# KiCad board fcart.kicad_pcb
title: fcart; rev: 1
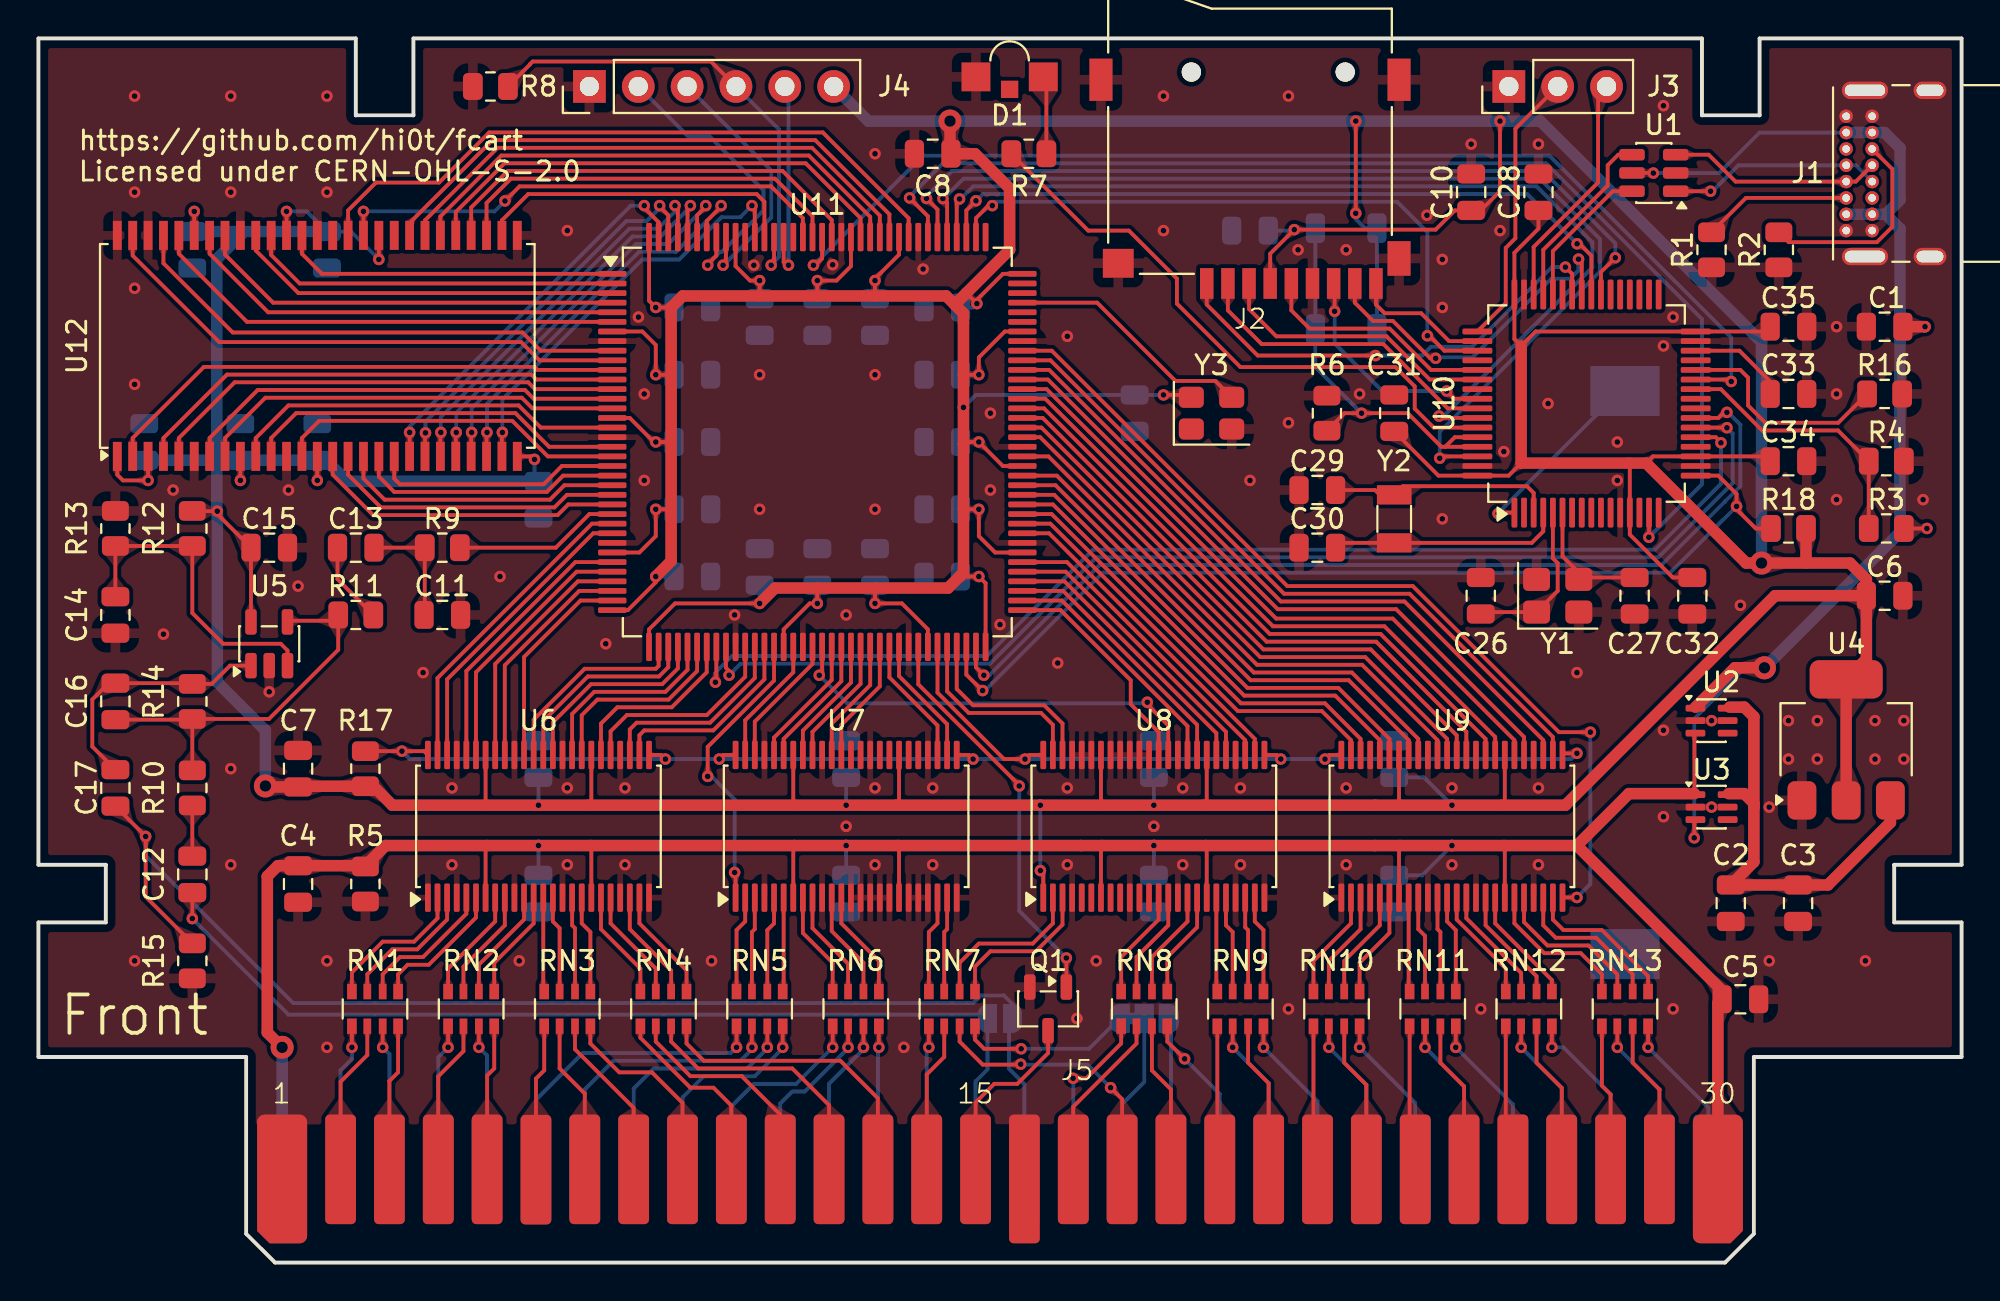
[diagram p0: board, top side]
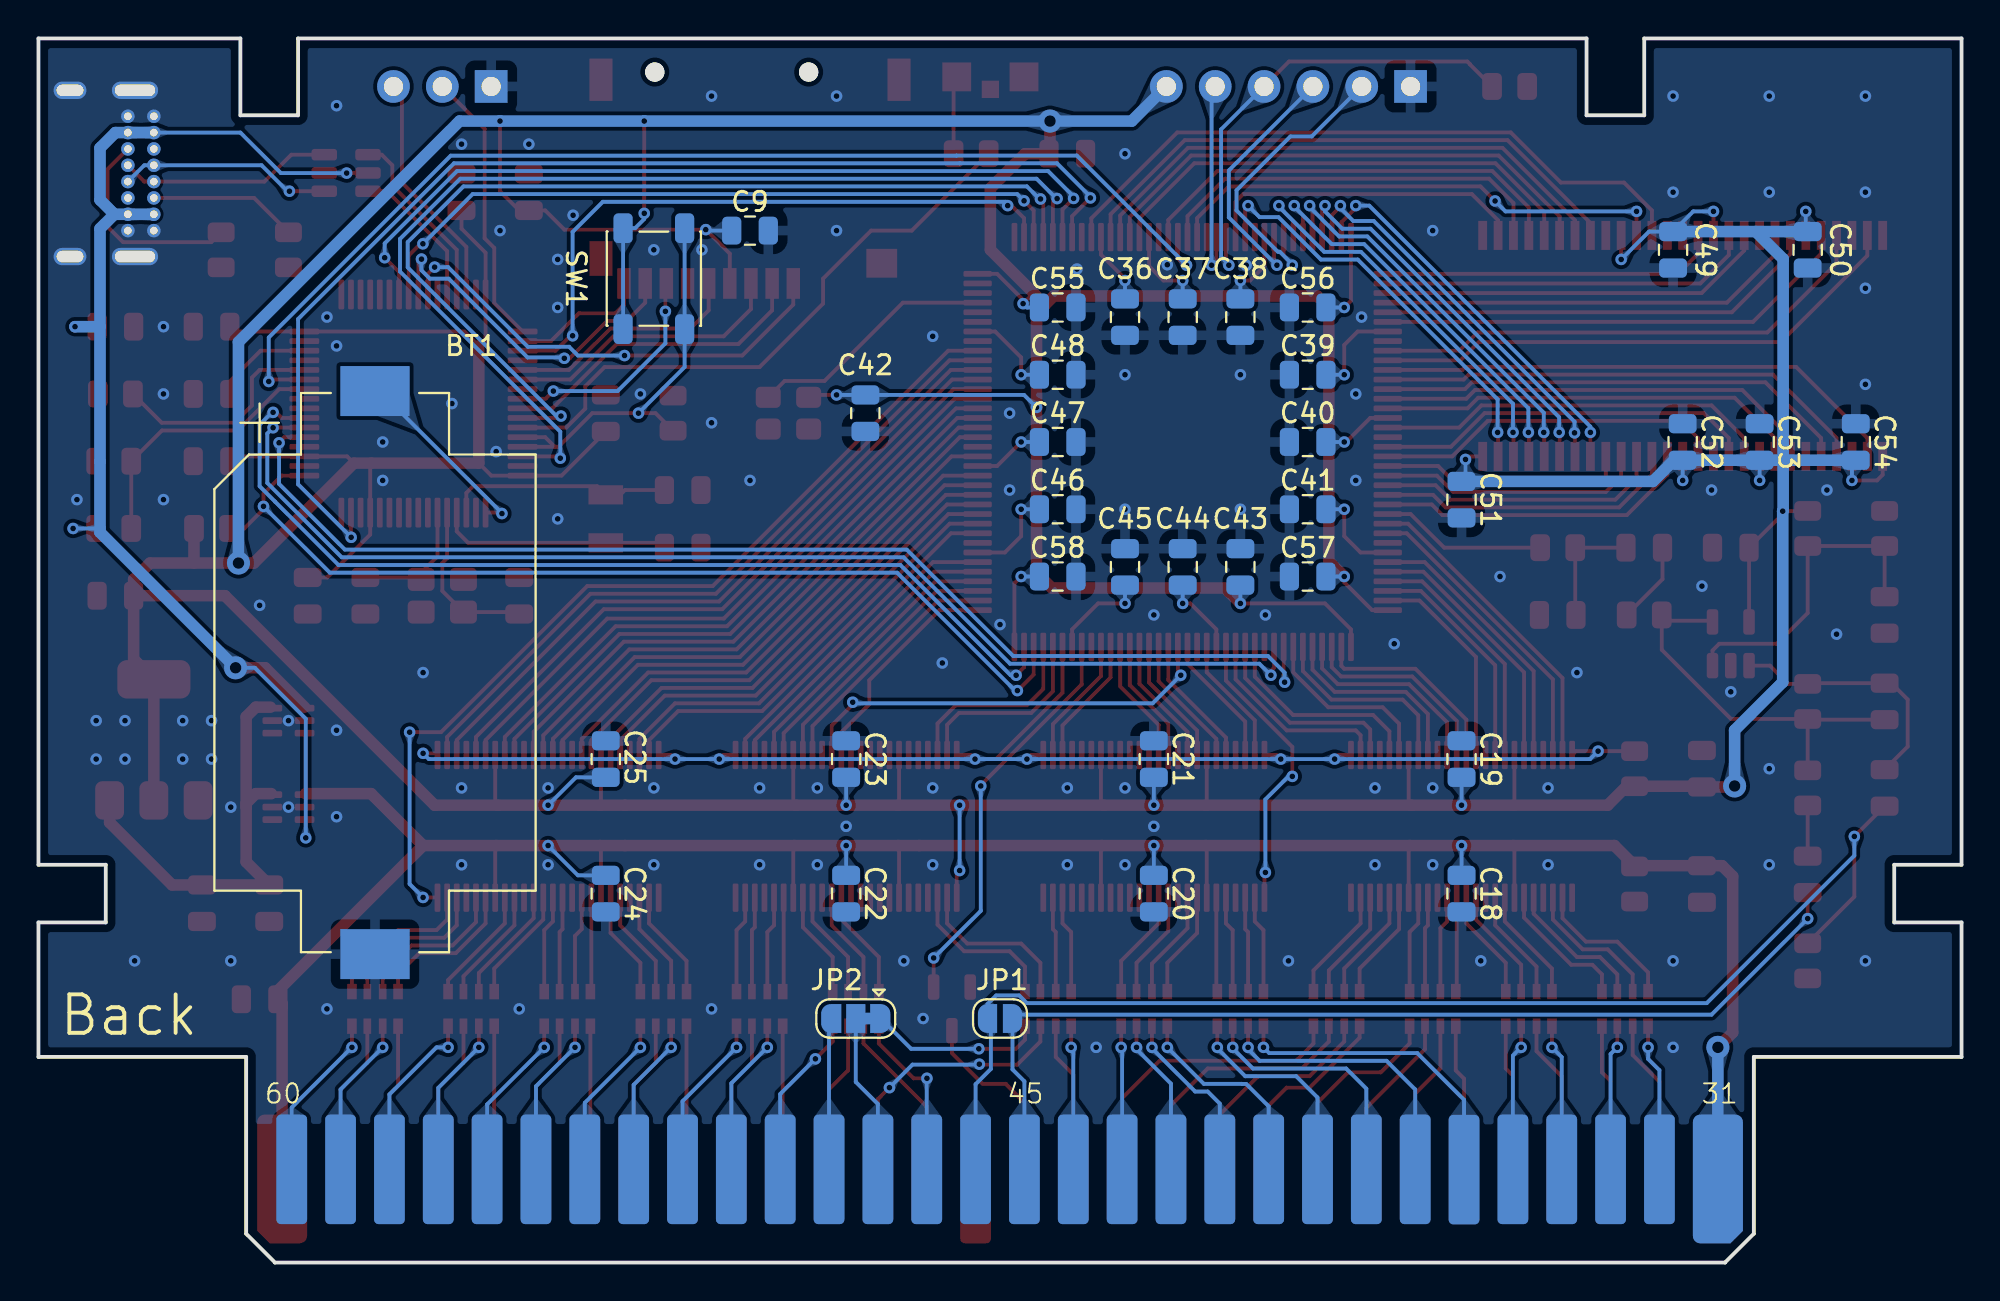
[diagram p1: board, bottom side, seen from below]

Outline 100 x 63.7 mm; copper layers: Top, Bottom. Coordinates in mm from the lower left corner of the outline.
Stack: Top 0.035mm / dielectric 1.2mm FR4 er 4.5 / Bottom 0.035mm

## Placement (name value [footprint] x y rotation side)
BT1  1060  [BatteryHolder_Keystone_1060_1x2032]  82.5 30.7 270 bottom
C1  0.1u  [C_0805_2012Metric]  96 48.7 180 top
C2  10u  [C_0805_2012Metric]  88 18.7 270 top
C3  0.1u  [C_0805_2012Metric]  91.5 18.7 270 top
C4  10u  [C_0805_2012Metric]  13.5 19.7 270 top
C5  10u  [C_0805_2012Metric]  88.5 13.7 0 top
C6  10u  [C_0805_2012Metric]  96 34.7 0 top
C7  10u  [C_0805_2012Metric]  13.5 25.7 90 top
C8  10u  [C_0805_2012Metric]  46.5 57.7 180 top
C9  0.1u  [C_0805_2012Metric]  63 53.7 180 bottom
C10  4.7u  [C_0805_2012Metric]  74.5 55.7 90 top
C11  10n  [C_0805_2012Metric]  21 33.7 0 top
C12  4.7u  [C_0805_2012Metric]  8 20.2 90 top
C13  4.7u  [C_0805_2012Metric]  16.5 37.2 180 top
C14  4.7u  [C_0805_2012Metric]  4 33.7 90 top
C15  0.1u  [C_0805_2012Metric]  12 37.2 180 top
C16  6.8p  [C_0805_2012Metric]  4 29.2 90 top
C17  10u  [C_0805_2012Metric]  4 24.7 270 top
C18  0.1u  [C_0805_2012Metric]  26 19.2 270 bottom
C19  0.1u  [C_0805_2012Metric]  26 26.2 90 bottom
C20  0.1u  [C_0805_2012Metric]  42 19.2 270 bottom
C21  0.1u  [C_0805_2012Metric]  42 26.2 90 bottom
C22  0.1u  [C_0805_2012Metric]  58 19.2 270 bottom
C23  0.1u  [C_0805_2012Metric]  58 26.2 90 bottom
C24  0.1u  [C_0805_2012Metric]  70.5 19.2 270 bottom
C25  0.1u  [C_0805_2012Metric]  70.5 26.2 90 bottom
C26  6.8p  [C_0805_2012Metric]  75 34.7 270 top
C27  6.8p  [C_0805_2012Metric]  83 34.7 90 top
C28  0.1u  [C_0805_2012Metric]  78 55.7 90 top
C29  6.8p  [C_0805_2012Metric]  66.5 40.2 0 top
C30  6.8p  [C_0805_2012Metric]  66.5 37.2 0 top
C31  0.1u  [C_0805_2012Metric]  70.5 44.2 90 top
C32  0.1u  [C_0805_2012Metric]  86 34.7 270 top
C33  4.7u  [C_0805_2012Metric]  91 45.2 0 top
C34  0.1u  [C_0805_2012Metric]  91 41.7 0 top
C35  0.1u  [C_0805_2012Metric]  91 48.7 0 top
C36  0.1u  [C_0805_2012Metric]  43.5 49.2 270 bottom
C37  0.1u  [C_0805_2012Metric]  40.5 49.2 270 bottom
C38  0.1u  [C_0805_2012Metric]  37.5 49.2 270 bottom
C39  0.1u  [C_0805_2012Metric]  34 46.2 0 bottom
C40  0.1u  [C_0805_2012Metric]  34 42.7 0 bottom
C41  0.1u  [C_0805_2012Metric]  34 39.2 0 bottom
C42  0.1u  [C_0805_2012Metric]  57 44.2 270 bottom
C43  0.1u  [C_0805_2012Metric]  37.5 36.2 90 bottom
C44  0.1u  [C_0805_2012Metric]  40.5 36.2 90 bottom
C45  0.1u  [C_0805_2012Metric]  43.5 36.2 90 bottom
C46  0.1u  [C_0805_2012Metric]  47 39.2 180 bottom
C47  0.1u  [C_0805_2012Metric]  47 42.7 180 bottom
C48  0.1u  [C_0805_2012Metric]  47 46.2 180 bottom
C49  0.1u  [C_0805_2012Metric]  15 52.7 270 bottom
C50  0.1u  [C_0805_2012Metric]  8 52.7 270 bottom
C51  0.1u  [C_0805_2012Metric]  26 39.7 270 bottom
C52  0.1u  [C_0805_2012Metric]  14.5 42.7 90 bottom
C53  0.1u  [C_0805_2012Metric]  10.5 42.7 90 bottom
C54  0.1u  [C_0805_2012Metric]  5.5 42.7 90 bottom
C55  0.1u  [C_0805_2012Metric]  47 49.7 180 bottom
C56  0.1u  [C_0805_2012Metric]  34 49.7 0 bottom
C57  0.1u  [C_0805_2012Metric]  34 35.7 0 bottom
C58  0.1u  [C_0805_2012Metric]  47 35.7 180 bottom
D1  LTST-S321KRKT  [LED_1208_Horizontal_3210Metric]  50.5 61.7 0 top
J1  USB4085  [USB_C_Receptacle_GCT_USB4085]  94 53.7 90 top
J2  MSD-4-A  [microSD_HC_Same_Sky_MSD-4-A]  63 58.7 180 top
J3  SWD  [PinHeader_1x03_P2.54mm_Vertical]  76.46 61.2 90 top  (not fitted)
J4  JTAG  [PinHeader_1x06_P2.54mm_Vertical]  28.65 61.2 90 top  (not fitted)
J5  Famicom_cartridge  [Famicom cartridge pcb]  50 10.7 0 top
JP1  NO EXP SND  [SolderJumper-2_P1.3mm_Open_RoundedPad1.0x1.5mm]  50 12.7 0 bottom
JP2  CLONE FIX  [SolderJumper-3_P1.3mm_Bridged12_RoundedPad1.0x1.5mm]  57.5 12.7 0 bottom
Q1  DTC114EK  [SOT-23-3]  52.5 13.2 270 top
R1  5.1k  [R_0805_2012Metric]  87 52.7 270 top
R2  5.1k  [R_0805_2012Metric]  90.5 52.7 270 top
R3  5.1k  [R_0805_2012Metric]  96.09 38.2 0 top
R4  10k  [R_0805_2012Metric]  96.09 41.7 180 top
R5  100k  [R_0805_2012Metric]  17 19.7 90 top
R6  10k  [R_0805_2012Metric]  67 44.2 270 top
R7  1k  [R_0805_2012Metric]  51.5 57.7 180 top
R8  5.1k  [R_0805_2012Metric]  23.5 61.2 180 top
R9  1k  [R_0805_2012Metric]  21 37.2 0 top
R10  10k  [R_0805_2012Metric]  8 24.7 270 top
R11  5.1k  [R_0805_2012Metric]  16.5 33.7 0 top
R12  100k  [R_0805_2012Metric]  8 38.2 90 top
R13  100k  [R_0805_2012Metric]  4 38.2 270 top
R14  10k  [R_0805_2012Metric]  8 29.2 270 top
R15  10k  [R_0805_2012Metric]  8 15.7 270 top
R16  10k  [R_0805_2012Metric]  96 45.2 0 top
R17  5.1k  [R_0805_2012Metric]  17 25.7 90 top
R18  10k  [R_0805_2012Metric]  91 38.2 180 top
RN1  100  [R_Array_Convex_4x0603]  17.5 13.2 270 top
RN2  100  [R_Array_Convex_4x0603]  22.5 13.2 270 top
RN3  100  [R_Array_Convex_4x0603]  27.5 13.2 270 top
RN4  100  [R_Array_Convex_4x0603]  32.5 13.2 270 top
RN5  100  [R_Array_Convex_4x0603]  37.5 13.2 270 top
RN6  100  [R_Array_Convex_4x0603]  42.5 13.2 270 top
RN7  100  [R_Array_Convex_4x0603]  47.5 13.2 270 top
RN8  100  [R_Array_Convex_4x0603]  57.5 13.2 270 top
RN9  100  [R_Array_Convex_4x0603]  62.5 13.2 270 top
RN10  100  [R_Array_Convex_4x0603]  67.5 13.2 270 top
RN11  100  [R_Array_Convex_4x0603]  72.5 13.2 270 top
RN12  100  [R_Array_Convex_4x0603]  77.5 13.2 270 top
RN13  100  [R_Array_Convex_4x0603]  82.5 13.2 270 top
SW1  PTS647SM70  [SW_SPST_PTS647_Sx70]  68 51.2 90 bottom
U1  USBLC6-2SC6  [SOT-23-6]  84 56.7 180 top
U2  LM66100DCK  [SOT-363_SC-70-6]  87 28.2 0 top
U3  LM66100DCK  [SOT-363_SC-70-6]  87 23.7 0 top
U4  TLV76133DCY  [SOT-223-3_TabPin2]  94 27.2 90 top
U5  MCP6001  [SOT-23-5]  12 32.2 90 top
U6  SN74LVC16T245D  [TSSOP-48_6.1x12.5mm_P0.5mm]  26 22.7 90 top
U7  SN74LVC16T245D  [TSSOP-48_6.1x12.5mm_P0.5mm]  42 22.7 90 top
U8  SN74LVC16T245D  [TSSOP-48_6.1x12.5mm_P0.5mm]  58 22.7 90 top
U9  SN74LVC16T245D  [TSSOP-48_6.1x12.5mm_P0.5mm]  73.5 22.7 90 top
U10  STM32F412RET6  [LQFP-64_10x10mm_P0.5mm]  80.5 44.7 90 top
U11  LCMXO2-4000HC-4TG144  [TQFP-144_20x20mm_P0.5mm]  40.5 42.7 0 top
U12  W9864G6KH-6  [TSOP-II-54_22.2x10.16mm_P0.8mm]  14.5 47.7 90 top
Y1  ABM8W-12.0000MHZ-8-B1U  [Crystal_SMD_3225-4Pin_3.2x2.5mm]  79 34.7 0 top
Y2  ABS07-32.768KHZ-7  [Crystal_SMD_3215-2Pin_3.2x1.5mm]  70.5 38.7 270 top
Y3  ASE-50.000MHZ-LC  [Oscillator_SMD_Abracon_ASE-4Pin_3.2x2.5mm]  61 44.2 0 top

## Library data of the parts
BT1 = -: Description: Single-cell battery; Sim.Device: V; Sim.Type: DC; Sim.Pins: 1=+ 2=-; DigiKey: 36-1060CT-ND; LCSC: C238069
C1 C3 C9 C15 C18-C25 C28 C31 C32 C34-C58 = -: Description: Unpolarized capacitor; DigiKey: 311-1140-1-ND; LCSC: C49678; ki_fp_filters: C_*
C2 C4-C8 C17 = -: Description: Unpolarized capacitor; DigiKey: 1276-1096-1-ND; LCSC: C1713; ki_fp_filters: C_*
C10 C12-C14 C33 = -: Description: Unpolarized capacitor; DigiKey: 1276-2873-1-ND; LCSC: C107365; ki_fp_filters: C_*
C11 = -: Description: Unpolarized capacitor; DigiKey: 13-CC0805KPX7R0BB103CT-ND; LCSC: C83170; ki_fp_filters: C_*
C16 C26 C27 C29 C30 = -: Description: Unpolarized capacitor; DigiKey: 311-1831-1-ND; LCSC: C519942; ki_fp_filters: C_*
D1 = -: Description: Light emitting diode; Sim.Pins: 1=K 2=A; DigiKey: 160-LTST-S321KRKTCT-ND; LCSC: C6897245; ki_fp_filters: LED* LED_SMD:* LED_THT:*
J1 = -: Datasheet: https://www.usb.org/sites/default/files/documents/usb_type-c.zip; Description: USB 2.0-only 16P Type-C Receptacle connector; DigiKey: 2073-USB4085-GF-ACT-ND; LCSC: C7095263; ki_fp_filters: USB*C*Receptacle*
J2 = -: Datasheet: https://datasheet.lcsc.com/lcsc/2110151630_XKB-Connectivity-XKTF-015-N_C381082.pdf; Description: Micro SD Card Socket with one card detection pin; DigiKey: 2223-MSD-4-ACT-ND; LCSC: C5155563; ki_fp_filters: microSD*
J3 = -: Description: Generic connector, single row, 01x03, script generated (kicad-library-utils/schlib/autogen/connector/); ki_fp_filters: Connector*:*_1x??_*
J4 = -: Description: Generic connector, single row, 01x06, script generated (kicad-library-utils/schlib/autogen/connector/); ki_fp_filters: Connector*:*_1x??_*
J5 = -: Description: Famicom cartridge connector
JP1 = -: Description: Solder Jumper, 2-pole, open; ki_fp_filters: SolderJumper*Open*
JP2 = -: Description: 3-pole Solder Jumper, pins 1+2 closed/bridged; ki_fp_filters: SolderJumper*Bridged12*
Q1 = -: Description: Digital NPN Transistor, 10k/10k, SOT-23; DigiKey: DTC114EKAT146CT-ND; LCSC: C79971; ki_fp_filters: SOT?23* SC?59*
R1-R3 R8 R11 R17 = -: Description: Resistor; DigiKey: 311-5.10KCRCT-ND; LCSC: C84375; ki_fp_filters: R_*
R4 R6 R10 R14-R16 R18 = -: Description: Resistor; DigiKey: 311-10.0KCRCT-ND; LCSC: C140868; ki_fp_filters: R_*
R5 R12 R13 = -: Description: Resistor; DigiKey: 311-100KCRCT-ND; LCSC: C96346; ki_fp_filters: R_*
R7 R9 = -: Description: Resistor; DigiKey: 311-1.00KCRCT-ND; LCSC: C95781; ki_fp_filters: R_*
RN1-RN13 = -: Description: 4 resistor network, parallel topology; DigiKey: YC124J-100CT-ND; LCSC: C79203; ki_fp_filters: DIP* SOIC* R*Array*Concave* R*Array*Convex* MSOP*
SW1 = -: Description: Push button switch, generic, two pins; DigiKey: 108-PTS647SM70SMTR2LFSCT-ND; LCSC: C2689517
U1 = -: Datasheet: https://www.st.com/resource/en/datasheet/usblc6-2.pdf; Description: Very low capacitance ESD protection diode, 2 data-line, SOT-23-6; DigiKey: 497-5235-1-ND; LCSC: C2827654; ki_fp_filters: SOT?23*
U2 U3 = -: Datasheet: https://www.ti.com/lit/ds/symlink/lm66100.pdf; Description: Ideal Diode With Input Polarity Protection 1.5 - 5.5V  Input Voltage, 1.5A Output Current, Ron 141 mOhm, SC-70-6; DigiKey: 296-53541-1-ND; LCSC: C2869734; ki_fp_filters: *SC?70*
U4 = -: Datasheet: https://www.ti.com/lit/ds/symlink/tlv761.pdf; Description: 3.3V, 1A, Low Noise, High-PSRR LDO Regulator, 2.5V...16V input, SOT-223; DigiKey: 296-TLV76133DCYRCT-ND; LCSC: C7527500; ki_fp_filters: SOT*223*
U5 = -: Datasheet: https://ww1.microchip.com/downloads/en/DeviceDoc/MCP6001-1R-1U-2-4-1-MHz-Low-Power-Op-Amp-DS20001733L.pdf; Description: 1MHz, Low-Power Op Amp, SOT-23-5; DigiKey: MCP6001T-I/OTCT-ND; LCSC: C116490; ki_fp_filters: SOT?23*
U6-U9 = -: Datasheet: https://www.ti.com/lit/ds/symlink/sn74lvc16t245.pdf; Description: 16-Bit 2.5V to 3.3V or 3.3V to 5V Level-Shifting Transceiver With 3-State Outputs, TSSOP-48; DigiKey: 296-20631-1-ND; LCSC: C148170; ki_fp_filters: TSSOP*6.1x12.5mm*P0.5mm*
U10 = -: Datasheet: https://www.st.com/resource/en/datasheet/stm32f412re.pdf; Description: STMicroelectronics Arm Cortex-M4 MCU, 512KB flash, 256KB RAM, 100 MHz, 1.7-3.6V, 50 GPIO, LQFP64; DigiKey: 497-18546-ND; LCSC: C89374; ki_fp_filters: LQFP*10x10mm*P0.5mm*
U11 = -: Datasheet: https://www.latticesemi.com/view_document?document_id=38834; Description: MachXO2 FPGA, 4000 LUT, TQFP-144; DigiKey: 220-1460-ND; LCSC: C1521625; ki_fp_filters: TQFP*20x20mm*P0.5mm*
U12 = -: Datasheet: https://www.alliancememory.com/wp-content/uploads/pdf/dram/64M-AS4C4M16SA-CI_v3.0_March%202015.pdf; Description: 64M – (4M x 16 bit) Synchronous DRAM (SDRAM), TSOP-II-54; DigiKey: W9864G6KH-6-ND; LCSC: C62378; ki_fp_filters: TSOP?II*22.2x10.16mm*P0.8mm*
Y1 = -: Description: Four pin crystal, GND on pins 2 and 4; DigiKey: 535-14008-1-ND; LCSC: C1985372; ki_fp_filters: Crystal*
Y2 = -: Datasheet: https://abracon.com/Resonators/ABS07.pdf; Description: Two pin crystal; DigiKey: 535-9543-1-ND; LCSC: C276424; ki_fp_filters: Crystal*
Y3 = -: Datasheet: http://www.abracon.com/Oscillators/ASV.pdf; Description: 3.3V CMOS SMD Crystal Clock Oscillator, Abracon; DigiKey: 535-ASE-50.000MHZ-L-C-TCT-ND; LCSC: C596955; ki_fp_filters: Oscillator*SMD*Abracon*ASE*3.2x2.5mm*

## Footprints (pads in the part's own frame, mm; a bottom-side part is the same pattern mirrored in y, then rotated)
BatteryHolder_Keystone_1060_1x2032
  rect 2.6x3.6 smd: 1(-14.65,0) 2(14.65,0)
C_0805_2012Metric
  rrect 1x1.45 smd: 1(-0.95,0) 2(0.95,0)
Crystal_SMD_3215-2Pin_3.2x1.5mm
  rect 1x1.8 smd: 1(1.25,0) 2(-1.25,0)
Crystal_SMD_3225-4Pin_3.2x2.5mm
  rrect 1.4x1.2 smd: 1(-1.1,-0.85) 2(1.1,-0.85) 3(1.1,0.85) 4(-1.1,0.85)
Famicom cartridge pcb
  rrect 2.6x6.7 smd: 1(-37.33,-6.35) 30(37.33,-6.35)
  rrect 1.6x5.7 smd: 2(-34.29,-5.85) 3(-31.75,-5.85) 4(-29.21,-5.85) 5(-26.67,-5.85) 6(-24.13,-5.864) 7(-21.59,-5.85) 8(-19.05,-5.85) 9(-16.51,-5.85) 10(-13.97,-5.85) 11(-11.43,-5.85) 12(-8.89,-5.85) 13(-6.35,-5.85) 14(-3.81,-5.85) 15(-1.27,-5.85) 17(3.81,-5.85) 18(6.35,-5.85) 19(8.89,-5.85) 20(11.43,-5.85) 21(13.97,-5.85) 22(16.51,-5.85) 23(19.05,-5.85) 24(21.59,-5.85) 25(24.13,-5.85) 26(26.67,-5.85) 27(29.21,-5.85) 28(31.75,-5.85) 29(34.29,-5.85)
  rrect 1.6x6.7 smd: 16(1.27,-6.35)
  rrect 2.6x6.7 smd far side: 31(-37.33,-6.35)
  rrect 1.6x5.7 smd far side: 32(-34.29,-5.85) 33(-31.75,-5.85) 34(-29.21,-5.85) 35(-26.67,-5.85) 36(-24.13,-5.864) 37(-21.59,-5.85) 38(-19.05,-5.85) 39(-16.51,-5.85) 40(-13.97,-5.85) 41(-11.43,-5.85) 42(-8.89,-5.85) 43(-6.35,-5.85) 44(-3.81,-5.85) 45(-1.27,-5.85) 46(1.27,-5.85) 47(3.81,-5.85) 48(6.35,-5.85) 49(8.89,-5.85) 50(11.43,-5.85) 51(13.97,-5.85) 52(16.51,-5.85) 53(19.05,-5.85) 54(21.59,-5.85) 55(24.13,-5.85) 56(26.67,-5.85) 57(29.21,-5.85) 58(31.75,-5.85) 59(34.29,-5.85) 60(36.83,-5.85)
LED_1208_Horizontal_3210Metric
  rect 0.9x0.9 smd: (0,-0.65)
  rect 1.5x1.5 smd: 1(-1.75,0) 2(1.75,0)
LQFP-64_10x10mm_P0.5mm
  rrect 1.55x0.3 smd: 1(-5.675,3.75) 2(-5.675,3.25) 3(-5.675,2.75) 4(-5.675,2.25) 5(-5.675,1.75) 6(-5.675,1.25) 7(-5.675,0.75) 8(-5.675,0.25) 9(-5.675,-0.25) 10(-5.675,-0.75) 11(-5.675,-1.25) 12(-5.675,-1.75) 13(-5.675,-2.25) 14(-5.675,-2.75) 15(-5.675,-3.25) 16(-5.675,-3.75) 33(5.675,-3.75) 34(5.675,-3.25) 35(5.675,-2.75) 36(5.675,-2.25) 37(5.675,-1.75) 38(5.675,-1.25) 39(5.675,-0.75) 40(5.675,-0.25) 41(5.675,0.25) 42(5.675,0.75) 43(5.675,1.25) 44(5.675,1.75) 45(5.675,2.25) 46(5.675,2.75) 47(5.675,3.25) 48(5.675,3.75)
  rrect 0.3x1.55 smd: 17(-3.75,-5.675) 18(-3.25,-5.675) 19(-2.75,-5.675) 20(-2.25,-5.675) 21(-1.75,-5.675) 22(-1.25,-5.675) 23(-0.75,-5.675) 24(-0.25,-5.675) 25(0.25,-5.675) 26(0.75,-5.675) 27(1.25,-5.675) 28(1.75,-5.675) 29(2.25,-5.675) 30(2.75,-5.675) 31(3.25,-5.675) 32(3.75,-5.675) 49(3.75,5.675) 50(3.25,5.675) 51(2.75,5.675) 52(2.25,5.675) 53(1.75,5.675) 54(1.25,5.675) 55(0.75,5.675) 56(0.25,5.675) 57(-0.25,5.675) 58(-0.75,5.675) 59(-1.25,5.675) 60(-1.75,5.675) 61(-2.25,5.675) 62(-2.75,5.675) 63(-3.25,5.675) 64(-3.75,5.675)
microSD_HC_Same_Sky_MSD-4-A
  round 1 hole 1 unplated: (-4.95,-3.25) (3.05,-3.25)
  rect 0.7x1.6 smd: 1(2.25,7.75) 2(1.15,7.75) 3(0.05,7.75) 4(-1.05,7.75) 5(-2.15,7.75) 6(-3.25,7.75) 7(-4.35,7.75) 8(-5.45,7.75) 9(-6.55,7.75)
  rect 1.2x1.8 smd: SH(-7.75,6.45)
  rect 1.2x2.2 smd: SH(-7.75,-2.85) SH(7.75,-2.85)
  rect 1.6x1.5 smd: SH(6.85,6.7)
Oscillator_SMD_Abracon_ASE-4Pin_3.2x2.5mm
  rrect 1.3x1.1 smd: 1(-1.05,-0.825) 2(1.05,-0.825) 3(1.05,0.825) 4(-1.05,0.825)
PinHeader_1x03_P2.54mm_Vertical
  rect 1.7x1.7 hole 1: 1(0,0)
  round 1.7 hole 1: 2(0,-2.54) 3(0,-5.08)
PinHeader_1x06_P2.54mm_Vertical
  rect 1.7x1.7 hole 1: 1(0,0)
  round 1.7 hole 1: 2(0,-2.54) 3(0,-5.08) 4(0,-7.62) 5(0,-10.16) 6(0,-12.7)
R_0805_2012Metric
  rrect 1.025x1.4 smd: 1(-0.912,0) 2(0.912,0)
R_Array_Convex_4x0603
  rect 0.8x0.5 smd: 1(-0.9,1.2) 4(-0.9,-1.2) 5(0.9,-1.2) 8(0.9,1.2)
  rect 0.8x0.4 smd: 2(-0.9,0.4) 3(-0.9,-0.4) 6(0.9,-0.4) 7(0.9,0.4)
SolderJumper-2_P1.3mm_Open_RoundedPad1.0x1.5mm
  custom 1x1.5 smd: 1(-0.65,0) 2(0.65,0)
SolderJumper-3_P1.3mm_Bridged12_RoundedPad1.0x1.5mm
  custom 1.05x1.5 smd: 1(-1.3,0) 3(1.3,0)
  rect 1x1.5 smd: 2(0,0)
SOT-23-3
  rrect 1.325x0.6 smd: 1(-1.137,0.95) 2(-1.137,-0.95) 3(1.137,0)
SOT-23-5
  rrect 1.325x0.6 smd: 1(-1.137,0.95) 2(-1.137,0) 3(-1.137,-0.95) 4(1.137,-0.95) 5(1.137,0.95)
SOT-23-6
  rrect 1.325x0.6 smd: 1(-1.137,0.95) 2(-1.137,0) 3(-1.137,-0.95) 4(1.137,-0.95) 5(1.137,0) 6(1.137,0.95)
SOT-223-3_TabPin2
  rrect 2x1.5 smd: 1(-3.15,2.3) 2(-3.15,0) 3(-3.15,-2.3)
  rrect 2x3.8 smd: 2(3.15,0)
SOT-363_SC-70-6
  rrect 1.025x0.35 smd: 1(-0.838,0.65) 2(-0.838,0) 3(-0.838,-0.65) 4(0.838,-0.65) 5(0.838,0) 6(0.838,0.65)
SW_SPST_PTS647_Sx70
  rrect 1.55x1 smd: 1(-2.625,1.6) 1(2.625,1.6) 2(-2.625,-1.6) 2(2.625,-1.6)
TQFP-144_20x20mm_P0.5mm
  rrect 1.475x0.3 smd: 1(-10.662,8.75) 2(-10.662,8.25) 3(-10.662,7.75) 4(-10.662,7.25) 5(-10.662,6.75) 6(-10.662,6.25) 7(-10.662,5.75) 8(-10.662,5.25) 9(-10.662,4.75) 10(-10.662,4.25) 11(-10.662,3.75) 12(-10.662,3.25) 13(-10.662,2.75) 14(-10.662,2.25) 15(-10.662,1.75) 16(-10.662,1.25) 17(-10.662,0.75) 18(-10.662,0.25) 19(-10.662,-0.25) 20(-10.662,-0.75) 21(-10.662,-1.25) 22(-10.662,-1.75) 23(-10.662,-2.25) 24(-10.662,-2.75) 25(-10.662,-3.25) 26(-10.662,-3.75) 27(-10.662,-4.25) 28(-10.662,-4.75) 29(-10.662,-5.25) 30(-10.662,-5.75) 31(-10.662,-6.25) 32(-10.662,-6.75) 33(-10.662,-7.25) 34(-10.662,-7.75) 35(-10.662,-8.25) 36(-10.662,-8.75) 73(10.662,-8.75) 74(10.662,-8.25) 75(10.662,-7.75) 76(10.662,-7.25) 77(10.662,-6.75) 78(10.662,-6.25) 79(10.662,-5.75) 80(10.662,-5.25) 81(10.662,-4.75) 82(10.662,-4.25) 83(10.662,-3.75) 84(10.662,-3.25) 85(10.662,-2.75) 86(10.662,-2.25) 87(10.662,-1.75) 88(10.662,-1.25) 89(10.662,-0.75) 90(10.662,-0.25) 91(10.662,0.25) 92(10.662,0.75) 93(10.662,1.25) 94(10.662,1.75) 95(10.662,2.25) 96(10.662,2.75) 97(10.662,3.25) 98(10.662,3.75) 99(10.662,4.25) 100(10.662,4.75) 101(10.662,5.25) 102(10.662,5.75) 103(10.662,6.25) 104(10.662,6.75) 105(10.662,7.25) 106(10.662,7.75) 107(10.662,8.25) 108(10.662,8.75)
  rrect 0.3x1.475 smd: 37(-8.75,-10.662) 38(-8.25,-10.662) 39(-7.75,-10.662) 40(-7.25,-10.662) 41(-6.75,-10.662) 42(-6.25,-10.662) 43(-5.75,-10.662) 44(-5.25,-10.662) 45(-4.75,-10.662) 46(-4.25,-10.662) 47(-3.75,-10.662) 48(-3.25,-10.662) 49(-2.75,-10.662) 50(-2.25,-10.662) 51(-1.75,-10.662) 52(-1.25,-10.662) 53(-0.75,-10.662) 54(-0.25,-10.662) 55(0.25,-10.662) 56(0.75,-10.662) 57(1.25,-10.662) 58(1.75,-10.662) 59(2.25,-10.662) 60(2.75,-10.662) 61(3.25,-10.662) 62(3.75,-10.662) 63(4.25,-10.662) 64(4.75,-10.662) 65(5.25,-10.662) 66(5.75,-10.662) 67(6.25,-10.662) 68(6.75,-10.662) 69(7.25,-10.662) 70(7.75,-10.662) 71(8.25,-10.662) 72(8.75,-10.662) 109(8.75,10.662) 110(8.25,10.662) 111(7.75,10.662) 112(7.25,10.662) 113(6.75,10.662) 114(6.25,10.662) 115(5.75,10.662) 116(5.25,10.662) 117(4.75,10.662) 118(4.25,10.662) 119(3.75,10.662) 120(3.25,10.662) 121(2.75,10.662) 122(2.25,10.662) 123(1.75,10.662) 124(1.25,10.662) 125(0.75,10.662) 126(0.25,10.662) 127(-0.25,10.662) 128(-0.75,10.662) 129(-1.25,10.662) 130(-1.75,10.662) 131(-2.25,10.662) 132(-2.75,10.662) 133(-3.25,10.662) 134(-3.75,10.662) 135(-4.25,10.662) 136(-4.75,10.662) 137(-5.25,10.662) 138(-5.75,10.662) 139(-6.25,10.662) 140(-6.75,10.662) 141(-7.25,10.662) 142(-7.75,10.662) 143(-8.25,10.662) 144(-8.75,10.662)
TSOP-II-54_22.2x10.16mm_P0.8mm
  rect 1.51x0.458 smd: 1(-5.75,10.4) 2(-5.75,9.6) 3(-5.75,8.8) 4(-5.75,8) 5(-5.75,7.2) 6(-5.75,6.4) 7(-5.75,5.6) 8(-5.75,4.8) 9(-5.75,4) 10(-5.75,3.2) 11(-5.75,2.4) 12(-5.75,1.6) 13(-5.75,0.8) 14(-5.75,0) 15(-5.75,-0.8) 16(-5.75,-1.6) 17(-5.75,-2.4) 18(-5.75,-3.2) 19(-5.75,-4) 20(-5.75,-4.8) 21(-5.75,-5.6) 22(-5.75,-6.4) 23(-5.75,-7.2) 24(-5.75,-8) 25(-5.75,-8.8) 26(-5.75,-9.6) 27(-5.75,-10.4) 28(5.75,-10.4) 29(5.75,-9.6) 30(5.75,-8.8) 31(5.75,-8) 32(5.75,-7.2) 33(5.75,-6.4) 34(5.75,-5.6) 35(5.75,-4.8) 36(5.75,-4) 37(5.75,-3.2) 38(5.75,-2.4) 39(5.75,-1.6) 40(5.75,-0.8) 41(5.75,0) 42(5.75,0.8) 43(5.75,1.6) 44(5.75,2.4) 45(5.75,3.2) 46(5.75,4) 47(5.75,4.8) 48(5.75,5.6) 49(5.75,6.4) 50(5.75,7.2) 51(5.75,8) 52(5.75,8.8) 53(5.75,9.6) 54(5.75,10.4)
TSSOP-48_6.1x12.5mm_P0.5mm
  rrect 1.475x0.3 smd: 1(-3.712,5.75) 2(-3.712,5.25) 3(-3.712,4.75) 4(-3.712,4.25) 5(-3.712,3.75) 6(-3.712,3.25) 7(-3.712,2.75) 8(-3.712,2.25) 9(-3.712,1.75) 10(-3.712,1.25) 11(-3.712,0.75) 12(-3.712,0.25) 13(-3.712,-0.25) 14(-3.712,-0.75) 15(-3.712,-1.25) 16(-3.712,-1.75) 17(-3.712,-2.25) 18(-3.712,-2.75) 19(-3.712,-3.25) 20(-3.712,-3.75) 21(-3.712,-4.25) 22(-3.712,-4.75) 23(-3.712,-5.25) 24(-3.712,-5.75) 25(3.712,-5.75) 26(3.712,-5.25) 27(3.712,-4.75) 28(3.712,-4.25) 29(3.712,-3.75) 30(3.712,-3.25) 31(3.712,-2.75) 32(3.712,-2.25) 33(3.712,-1.75) 34(3.712,-1.25) 35(3.712,-0.75) 36(3.712,-0.25) 37(3.712,0.25) 38(3.712,0.75) 39(3.712,1.25) 40(3.712,1.75) 41(3.712,2.25) 42(3.712,2.75) 43(3.712,3.25) 44(3.712,3.75) 45(3.712,4.25) 46(3.712,4.75) 47(3.712,5.25) 48(3.712,5.75)
USB_C_Receptacle_GCT_USB4085
  round 0.7 hole 0.4: A1(0,0) A4(0.85,0) A5(1.7,0) A6(2.55,0) A7(3.4,0) A8(4.25,0) A9(5.1,0) A12(5.95,0) B1(5.95,-1.35) B4(5.1,-1.35) B5(4.25,-1.35) B6(3.4,-1.35) B7(2.55,-1.35) B8(1.7,-1.35) B9(0.85,-1.35) B12(0,-1.35)